# KiCad board CDJ-MainBoard.kicad_pcb (continued)
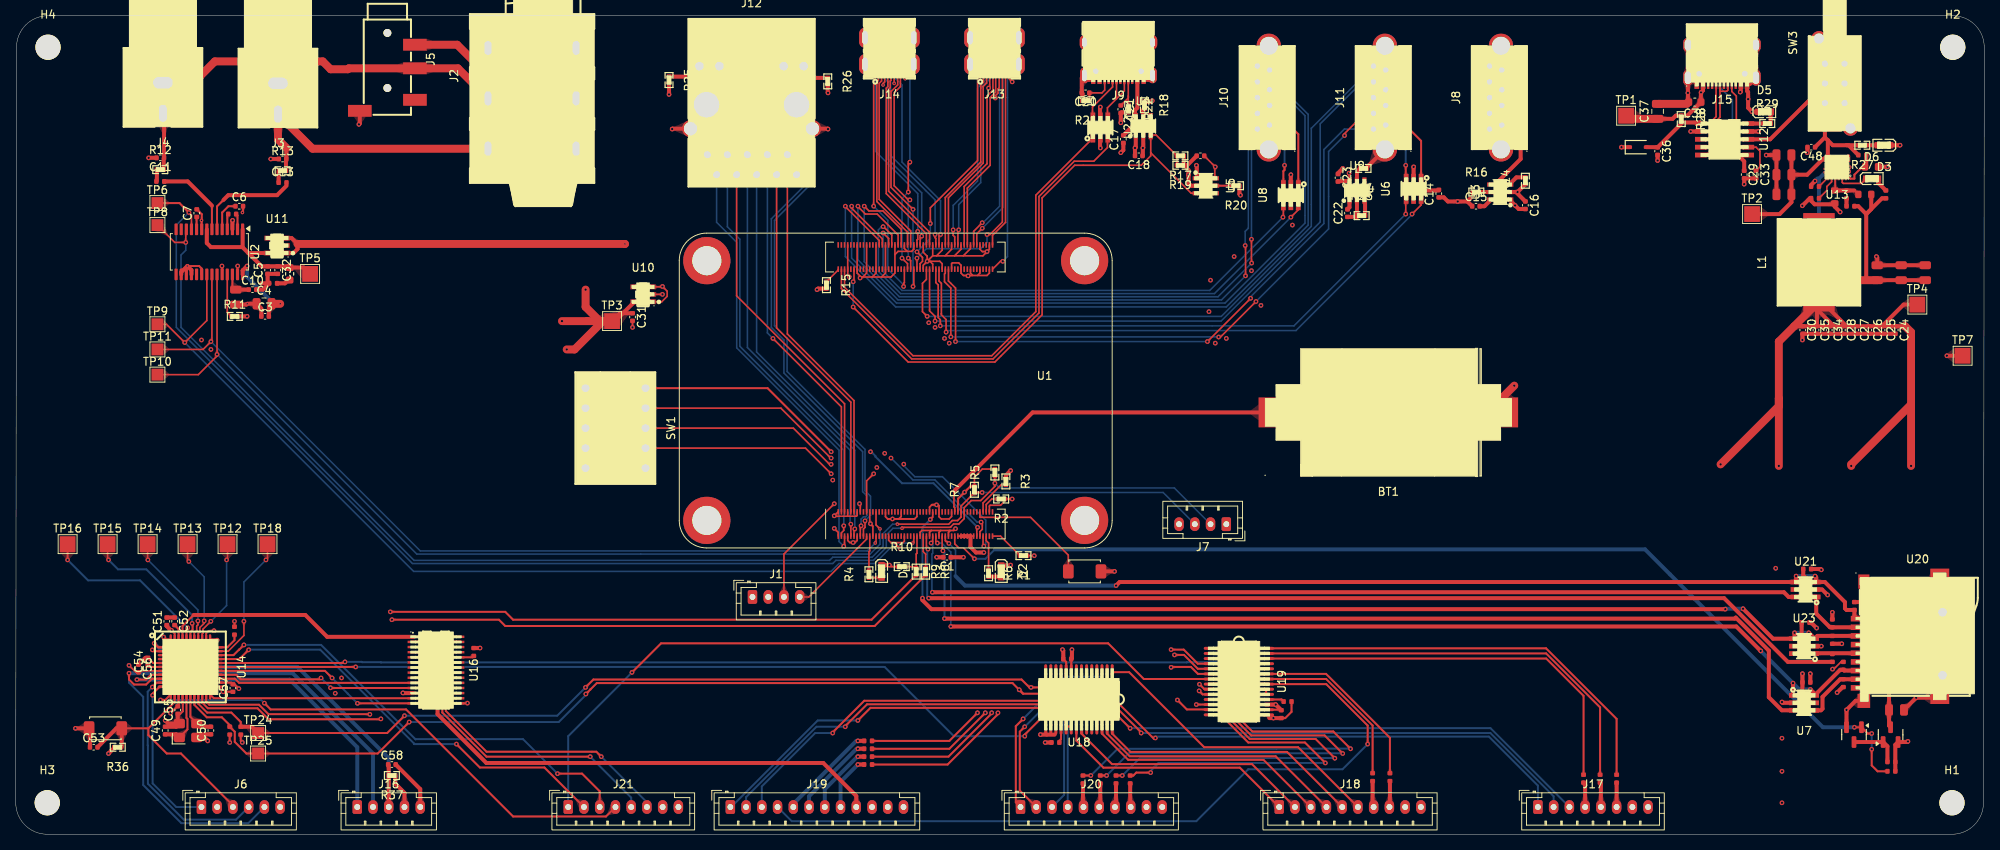
[diagram p0: board, top side]
## Nets (continued)
/USB DJ Ports/USB_SCR_SSRXP: J11.6 U1.159
/USB DJ Ports/USB_SCR_SSTXM: J11.8 U1.169
/USB DJ Ports/USB_SCR_SSTXP: J11.9 U1.171
/USB DJ Ports/USB_SCR_VBUS: C23.2 J11.1 U9.6
I2C_SCL: J7.3 R7.1 TP8.1 U1.80 U2.12
I2C_SDA: J7.2 R5.1 TP6.1 U1.82 U2.11
I2S_BCK: TP9.1 U1.49 U2.21
I2S_DIN: TP11.1 U1.25 U2.22
I2S_LRCLK: TP10.1 U1.26 U2.23
ISP_MISO: J6.1 U14.11
ISP_MOSI: J6.4 U14.10
ISP_RESET: C53.2 J6.3 R36.1 SW4.2 U14.13
ISP_SCK: J6.5 J16.2 U14.9
UART_ATMEGA_RX: R8.2 U14.20
UART_ATMEGA_TX: R9.2 U14.21
Net-(C2-Pad2): C2.2 FB1.1
Net-(C9-Pad1): C9.1 R12.1
Net-(C12-Pad1): C12.1 R13.1
Net-(C47-Pad1): C47.1 R32.2
Net-(C51-Pad2): C51.2 C52.1
Net-(D1-A): D1.2 R4.1
Net-(D2-A): D2.2 R6.2
Net-(D3-A): D3.2 R27.1
Net-(D5-A): D5.2 R29.2
Net-(D6-A): D6.2 R33.2
Net-(D6-K): D6.1 U13.11
Net-(J1-Pin_3): J1.3 U1.16
Net-(J1-Pin_4): J1.4 U1.19
Net-(J9-CC1): C21.1 J9.4 R22.1
Net-(J9-CC2): C20.1 J9.10 R21.1
Net-(J9-DN1): J9.5 J9.7 U22.4
Net-(J9-DP1): J9.6 J9.8 U22.6
Net-(J10-D+): J10.3 U8.3
Net-(J10-D-): J10.2 U8.1
Net-(J11-D+): J11.3 U6.3
Net-(J11-D-): J11.2 U6.1
Net-(J12-Pad11): J12.11 R26.1
Net-(J12-Pad14): J12.14 R25.1
Net-(J13-CEC): J13.15 U1.151
Net-(J13-CK+): J13.12 U1.188
Net-(J13-CK-): J13.14 U1.190
Net-(J13-D0+): J13.9 U1.182
Net-(J13-D0-): J13.11 U1.184
Net-(J13-D1+): J13.6 U1.176
Net-(J13-D1-): J13.8 U1.178
Net-(J13-D2+): J13.3 U1.170
Net-(J13-D2-): J13.5 U1.172
Net-(J13-HPD/HEAC-): J13.1 U1.153
Net-(J13-SCL): J13.17 U1.200
Net-(J13-SDA): J13.18 U1.199
Net-(J14-CEC): J14.15 U1.149
Net-(J14-CK+): J14.12 U1.164
Net-(J14-CK-): J14.14 U1.166
Net-(J14-D0+): J14.9 U1.158
Net-(J14-D0-): J14.11 U1.160
Net-(J14-D1+): J14.6 U1.152
Net-(J14-D1-): J14.8 U1.154
Net-(J14-D2+): J14.3 U1.146
Net-(J14-D2-): J14.5 U1.148
Net-(J14-HPD/HEAC-): J14.1 U1.143
Net-(J14-SCL): J14.17 U1.147
Net-(J14-SDA): J14.18 U1.145
Net-(J15-CC1): C33.1 J15.A5 U12.7
Net-(J15-CC2): C29.1 J15.B5 U12.6
Net-(J15-DN1): J15.A7 J15.B7 U12.5
Net-(J15-DP1): J15.A6 J15.B6 U12.4
Net-(Q1-D): Q1.3 Q2.1 R73.2
Net-(U1B-GPIO14): R8.1 U1.55
Net-(U1B-GPIO15): R9.1 R10.2 U1.51
Net-(U1D-USB_OTG_ID): R15.1 U1.101
Net-(U1I-SD_CLK): R69.1 U1.57
Net-(U1J-CC1): R3.2 U1.94
Net-(U1J-CC2): R2.2 U1.96
Net-(U1J-PMIC_ENABLE): R1.2 U1.99
Net-(U1J-PWR_Button): SW2.1 U1.92
Net-(U1J-VBAT): BT1.1 U1.76
Net-(U1J-~{PI_LED_nPWR}): R6.1 U1.95
Net-(U1J-~{Pi_nLED_Activity}): R4.2 U1.21
Net-(U2-CAPM): C8.1 U2.4
Net-(U2-CAPP): C8.2 U2.2
Net-(U2-LDOO): C10.1 C60.1 U2.26
Net-(U2-OUTL): C12.2 U2.6
Net-(U2-OUTR): C9.2 U2.7
Net-(U2-VCOM/DEMP): C7.1 U2.10
Net-(U2-VNEG): C6.1 U2.5
Net-(U2-XSMT): R11.1 U2.25
Net-(U3-EN): R14.2 U3.3
Net-(U3-ILIM): R16.2 U3.5
Net-(U4-ILIM): R18.2 U4.5
Net-(U5-ILIM): R20.2 U5.5
Net-(U9-EN): R23.2 U9.3
Net-(U9-ILIM): R24.2 U9.5
Net-(U12-PG): R29.1 U12.10
Net-(U12-VBUS): SW3.2 U12.8
Net-(U12-VDD): C36.1 D4.2 R28.2 U12.1
Net-(U13-BS): C44.2 U13.7
Net-(U13-EN): R30.2 R31.1 U13.12
Net-(U13-FB): R32.1 R34.1 R35.1 U13.9
Net-(U13-LX): C44.1 L1.2 U13.2
Net-(U13-VCC): C45.2 U13.8
Net-(U14-AREF): C52.2 U14.42
Net-(U14-PC7): TP18.1 U14.32
Net-(U14-PF1): TP16.1 U14.40
Net-(U14-PF4): TP15.1 U14.39
Net-(U14-PF5): TP14.1 U14.38
Net-(U14-PF6): TP13.1 U14.37
Net-(U14-PF7): TP12.1 U14.36
Net-(U14-UCAP): C54.1 U14.6
Net-(U14-XTAL1): C50.2 U14.17 X1.3
Net-(U14-XTAL2): C49.1 U14.16 X1.1
Net-(U14-~{HWB}/PE2): R41.1 U14.33
Net-(U18-RESET#): R52.1 U18.18
Net-(U19-GPA1): R62.1 U19.22
Net-(U19-GPA2): R61.1 U19.23
Net-(U19-GPA3): R60.1 U19.24
Net-(U19-GPA4): R59.1 U19.25
Net-(U19-GPA5): R58.1 U19.26
Net-(U19-GPA6): R57.1 U19.27
Net-(U19-GPA7): R56.1 U19.28
Net-(U19-GPB0): R63.2 U19.1
Net-(U19-GPB1): R64.2 U19.2
Net-(U19-GPB2): R65.2 U19.3
Net-(U19-GPB3): R66.2 U19.4
Net-(U19-GPB4): R67.2 U19.5
Net-(U19-GPB5): R68.2 U19.6
Net-(U19-RESET#): R55.1 U19.18

Pads without a net: J2 3 5 7; J3 1; J4 1; J5 4; J8 2 3 6 7 8 9 10 11; J9 3 9; J10 11; J11 11; J12 1; J13 2 20; J14 2 20; J15 A8 B8; SW1 5; SW3 3 4 5 6 7 8; U1 18 24 27 28 29 30 31 34 35 36 37 38 39 40 41 44 45 46 47 48 50 54 56 58 64 68 70 72 73 84 86 88 90 97 100 102 104 106 109 110 112 115 116 117 118 121 122 123 124 127 129 133 135 139 141 175 177 181 183 187 189 193 194 195 196; U2 13 14 15 19; U3 4; U4 4; U5 4; U9 4; U10 4; U11 4; U12 3; U13 10; U14 3 4 45; U16 2 3 4 5 6 16 17 18 19 20 21 22 23 25 26 27 28; U18 11 14; U19 8 11 14; U20 9

## Via types
v1: diameter 0.6, hole 0.3, Top to Bottom, 375 vias
v2: diameter 0.45, hole 0.2, Top to Bottom, 31 vias

## Routing (per net, layer and track width the routed paths; a pad name or vN(x,y) marks a point on that pad's centre or on a via; arc(x,y) is an arc through that point)
+3.3V: length 333.6
  Top w0.2: 119.73,42 119.7,41.97 U1.78 ; v1(230.82,20.98) 230.98,20.98 231.9,21.9 R76.1 ; R5.2 122.8,46.4 121.8,45.4 R7.2
  Top w0.25: 119.73,42 119.73,42.65 120.34,43.26 ; R7.2 121.28,44.2 120.34,43.26 ; 120.34,43.26 v1(120.54,43.46)
  Top w0.5: R72.1 v1(230.8,28.2) ; v1(231.4,18) 232.1,18.7 R75.1 ; v1(234.8,29.6) 234.7,29.5 R74.1 ; R11.2 v1(29.4,65.8) ; C66.1 226.9,24.1 v1(227.2,23.8) 227.1,23.9 U23.5 ; U21.5 227.1,31.1 227.4,31.4 227.4,32.6 227.1,32.9 C75.1 ; R70.1 v1(232,24.2) ; U2.28 28.83,71.63 v1(29.4,72.2) ; R26.2 103.17,94.23 v1(103.2,94.2) ; C31.1 76.76,66.2 TP3.1 76.15,65.2 U10.5 ; v1(240.4,11.8) 240.32,11.72 Q2.2 238.8,11.37 R71.1 ; R25.2 v1(83,94) ; v1(227,20.4) C65.1 227,17.45 227.75,16.7 U7.5 ; C1.1 v1(120.4,35.2) ; C3.2 32.16,67.06 C4.2
  Top w1: C4.2 v2(33.6,67.4) ; v1(69.4,65.2) 72.6,65.2 TP3.1 ; TP3.1 74.6,65.2 71,61.6 v1(70,61.6) ; TP3.1 74.2,65.2 72.4,67 v1(72.4,69.2)
  In2.Cu w1: 74.8,65.2 73.2,66.8 73.2,68.4 v1(72.4,69.2) ; 74.8,65.2 76.6,63.4 ; 74.8,65.2 v1(69.4,65.2) ; J7.4 147.8,36.8 139.4,28.4 ; v1(224.4,8) 221.6,8 219,10.6 219,11.2 ; v1(70,61.6) 71.8,63.4 76.6,63.4 ; 205.6,28.4 211,33.8 v1(223.6,33.8) ; 205.6,28.4 219,15 ; 205.6,28.4 139.4,28.4 ; 76.6,63.4 79.8,60.2 108.6,60.2 120.4,48.4 120.4,43.32 ; 219,15 221.8,12.2 v1(224.4,12.2) ; 219,15 219,11.2 ; 139.4,28.4 124.2,28.4 120.4,32.2 v1(120.4,35.2) 120.4,43.32 ; v1(224.4,4) 221.2,4 219,6.2 219,11.2 ; 120.4,43.32 v1(120.54,43.46) ; 219,11.2 219,10.2
  Bottom w0.5: v1(29.4,72.2) 29.4,70.8 32.8,67.4 v2(33.6,67.4)
  vias: v1(227.4,32)
+3.3V_ANALOG: length 21.3
  Top w0.5: 29.55,73.85 28.8,74.6 ; 29.55,73.85 U11.5 ; 29.55,73.85 31.24,72.16 C5.2 34.64,72.16 FB1.2 36.6,72 TP5.1 ; 28.8,74.6 24.8,74.6 24.27,75.13 U2.8 ; 28.8,74.6 28.83,74.63 U2.1
+5V: length 242.9
  Top w0.2: U10.3 82.11,69.55 v1(82.16,69.6) 82.76,69 82.76,68.35 82.06,67.65 U10.1 ; v2(113,96) 112.8,96.2 J14.19 ; U1.77 U1.87 ; R1.1 v1(129.4,35.4) ; J13.19 126.15,96.05 v1(126.6,95.6) ; 25.49,24.76 v1(25.59,24.66) ; v1(14.39,21.46) 15.27,20.58 C56.2 15.77,20.76 U14.7
  Top w0.25: C61.1 58.01,22.48 U16.24 54.61,22.48 v1(54.59,22.46) ; v1(19.66,15.39) 20.54,16.26 C55.2 20.69,16.36 U14.14 ; R54.1 28.59,11.86 v1(28.79,11.66) ; U18.9 134.11,22.24 C62.1 ; U14.24 27.39,19.26 C57.2 27.79,19.06 v1(28.35,18.5) ; v1(150.39,19.06) 151.03,18.42 U19.9 ; v1(18.79,25.06) 19.09,24.76 U14.44 ; U14.2 17.53,23.26 v1(17.36,23.43) ; R53.1 v1(27.19,11.66) ; 159.27,14.76 U19.15 ; R55.2 162.09,15.56 161.29,14.76 C63.1 ; U14.34 25.49,24.76
  Top w0.5: 235.1,78.8 234.1,79.8 C47.2 ; 235.1,78.8 235.1,70.8 235.5,70.4 C41.2 ; 235.1,78.8 235.74,79.44 R34.2 ; 235.1,78.8 237.1,80.8 R33.1 ; U3.1 190.96,79.44 C16.2 ; v1(11.79,10.26) 12.52,10.99 R36.2 ; U1.79 U1.85 121.3,36.5 122,35.8 v1(123,35.8) ; L1.1 229.1,66.45 231,64.55 ; L1.1 v1(229.1,67.8) 229.1,67.7 ; L1.1 228.85,67.8 228.85,64.55 ; L1.1 232.6,64.55 C27.1 ; R37.1 48.22,6.43 49.39,5.26 J16.4 ; 137.75,91.1 137.75,92.35 v1(137.8,92.4) ; U11.1 35.3,73.85 35.8,74.35 35.8,75 35.05,75.75 U11.3 ; 177.6,80.5 v1(177.6,81.8) 180.8,81.8 ; C24.1 239.95,64.55 240,64.6 ; C24.1 239.05,64.55 ; C24.1 231,64.55 ; C18.2 v1(142.2,87.2) 142.3,87.3 142.3,88.25 ; v1(134.19,23.46) 134.19,22.36 C62.1 ; C41.2 C39.2 ; C41.2 236.4,70.3 ; 225.8,64.4 225.95,64.55 C30.1 ; C30.1 227,64.59 ; C30.1 231,64.55 ; v1(150,85) 150.05,84.95 U5.1 ; 236.2,64.55 237.1,64.55 239.85,67.3 TP4.1 ; v1(169.4,81.6) 169.45,81.55 U9.1 169.45,79.65 C22.2 ; C63.1 159.27,14.76 ; R52.2 v1(130.79,11.66) ; 162,79.65 v1(162,81)
  Top w1: 35.8,75 77.4,75 v2(77.4,75) ; C41.2 231.45,70.4 L1.1 ; 224,55.4 224,54.4 v1(216.6,47) ; 224,55.4 224,62.6 229.1,67.7 ; 224,55.4 v1(224,46.8) ; v1(240.8,46.8) 240.8,54.6 ; 240.8,54.6 240.8,63.8 240.05,64.55 239.95,64.55 ; 240.8,54.6 233.2,47 v1(233.2,46.8)
  vias: v1(159.79,14.76) v1(190.5,79.9)
+20V_USB: length 34.1
  Top w0.5: 229.85,88.55 230.23,88.17 ; 229.85,88.55 C48.1 ; 229.85,88.55 SW3.1 ; 230.23,88.17 230.85,87.55 232.6,87.55 ; 230.23,88.17 U13.4 ; U13.4 229.6,85.8 227.6,83.8 C43.1 ; U13.4 230.17,85.86 ; U13.4 U13.5 230.23,84.15 ; 232.6,87.55 232.85,87.55 R30.1 ; 232.6,87.55 R27.2 ; TP2.1 224.1,78.8 225.6,80.3 C46.2 C42.1
+20V_USB_RAIL: length 19.1
  Top w0.5: J15.B4A9 214.37,94.51 v1(214.12,94.26) 214.1,94.24 C38.1 212.38,91.3 R28.1 210.9,91.3 210.5,90.9 C37.1 ; v1(219.1,94.3) 219.17,94.37 J15.A4B9 ; 205,90.9 TP1.1
  Top w1: C37.1 205,90.9
  In1.Cu w0.5: v1(214.12,94.26) 214.16,94.3 v1(219.1,94.3)
GND: length 370.2
  Top w0.2: U1.126 U1.125 109.3,71.3 108.8,70.8 ; U1.7 105.7,37.33 105.97,37.06 v1(106.39,37.06) 106.63,37.06 106.9,37.33 U1.13 ; v2(112.4,99.2) 112.4,98.69 112.2,98.49 J14.16 ; J14.10 111,97.66 111,99.09 110.6,99.49 v2(110.6,99.6) ; 110.79,40.06 110.5,40.35 U1.32 ; U1.174 118.9,74.33 118.07,73.5 ; J13.7 123.75,94.95 v1(123.6,94.8) ; 111.7,73.66 112.1,74.06 113.27,74.06 ; 111.7,73.66 U1.137 111.7,71.3 111.2,70.8 108.8,70.8 ; 111.7,73.66 U1.138 ; U1.120 U1.119 108.1,71.3 107.6,70.8 ; 114.19,40.06 114.5,40.37 U1.52 ; U1.65 117.3,38.37 117.53,38.6 ; R10.1 111.2,34 v1(111,34.2) ; 118.59,38.6 118.73,38.6 118.5,38.37 U1.71 ; 118.59,38.6 117.53,38.6 ; 118.59,38.6 119.18,38.6 v1(119.4,38.82) ; 122.2,71 122.5,71.3 U1.191 ; 116.33,38.6 116.1,38.37 U1.59 ; 116.33,38.6 117.53,38.6 ; 116.33,38.6 115.13,38.6 114.9,38.37 U1.53 ; U1.42 112.5,40.37 112.19,40.06 ; v1(112.39,36.26) 111.59,37.06 111.19,37.06 ; v1(126.6,42.6) R2.1 125.63,42.31 125.12,41.8 123.8,41.8 123.7,41.7 U1.98 ; 232.84,84.3 v2(232.95,84.2) ; U1.22 108.5,39.55 v1(108.59,39.46) 108.9,39.15 U1.23 ; v1(123.41,74.03) 122.88,73.5 120.39,73.5 ; v1(123.41,74.03) 123.7,74.32 U1.198 ; v1(123.41,74.03) 122.8,74.03 122.5,74.33 U1.192 ; 105.7,40.41 104.04,40.41 v1(103.99,40.46) 104.49,40.96 U1.2 ; 105.7,40.41 U1.8 ; 105.7,40.41 106.8,40.41 106.9,40.51 U1.14 ; U1.185 121.3,71.3 121.6,71 ; J13.13 124.95,94.85 124.8,94.7 124.8,94.17 124.45,93.83 v1(124.45,93.55) ; 115.8,73.45 v1(115.8,72.8) ; 115.8,73.45 115.81,73.46 ; 115.8,73.45 115.3,73.95 U1.156 ; v1(115.8,72.8) 116.15,72.8 ; v1(115.8,72.8) 116.5,73.5 ; v1(115.8,72.8) 115.3,72.3 U1.155 ; 107.4,70.8 106.9,71.3 U1.113 U1.114 ; 107.4,70.8 v1(107.28,70.68) ; 107.4,70.8 108.8,70.8 ; 116.39,41.86 116.1,41.57 U1.60 ; J14.4 109.8,98.27 109.47,98.6 v2(109.2,98.6) ; U1.43 112.9,37.23 112.73,37.06 111.19,37.06 ; 116.99,73.5 117.7,74.21 U1.168 ; 116.99,73.5 118.07,73.5 ; 116.99,73.5 116.5,73.5 ; U1.161 116.5,72.45 116.15,72.8 ; 120.39,73.5 119.27,73.5 ; 120.39,73.5 121.3,74.41 U1.186 ; U1.144 112.9,74.43 113.27,74.06 ; 113.27,74.06 113.83,74.06 114.1,74.33 U1.150 ; U1.167 117.7,72.5 117.4,72.8 116.15,72.8 ; 111.19,37.06 110.9,37.35 U1.33 ; U1.197 123.7,71.3 123.4,71 121,71 ; 232.1,85.61 v2(232.15,85.55) ; U1.180 120.1,74.33 119.27,73.5 ; 121,71 v1(121,70.95) ; 121,71 120.4,71 120.1,71.3 U1.179 120.1,72.3 119.8,72.6 119,72.6 118.9,72.5 U1.173 ; 232.46,85.8 v2(232.83,86.18) ; 117.19,41.86 117.3,41.75 U1.66 117.3,40.35 117.59,40.06 118.59,40.06 118.9,40.37 U1.74 ; U14.43 20.19,25.51 ; v1(105.9,70.82) 105.7,71.02 U1.107 U1.108 ; C31.2 v1(78.36,64.4) ; U1.132 U1.131 110.5,71.3 110,70.8 ; v1(126,99) 126,98.6 125.55,98.15 J13.16 ; U1.1 104.5,38.35 v1(103.99,38.86) ; 118.07,73.5 119.27,73.5 ; 232.29,84.3 v2(232.38,84.21) ; v1(123,98.8) 123.15,98.65 J13.4 ; 116.5,73.5 U1.162 ; v2(110.2,95.2) 110.2,95.4 110.4,95.6 J14.7 ; v1(25.19,25.86) 24.54,25.86 24.19,25.51 U14.35 ; 231.9,85.8 v2(231.8,85.91) ; v1(183.2,80.4) 184.44,80.4 ; 232.54,85.8 v2(232.73,85.61) ; J14.13 v2(111.6,95.4) ; 231.33,85.8 v2(231.22,85.91) ; U10.2 v1(82.16,68.6) ; v1(124.4,99) 124.35,98.95 J13.10
  Top w0.25: U19.10 150.79,17.77 v1(150.35,18.22) ; U14.5 17.45,21.76 C54.2 ; v2(28.8,79) 28.88,79.08 C6.2 ; 130.99,12.66 130.86,12.79 U18.15 ; R41.2 v1(27.79,27.06) ; 110.79,40.06 114.19,40.06 ; v2(21.8,72.2) 23.3,72.2 23.62,71.87 U2.20 ; v1(57.39,16.66) 57.37,16.64 U16.15 ; U2.24 26.23,72.18 v1(26.2,72.2) ; U19.16 160.73,15.82 C63.2 ; U2.9 23.62,77.98 v2(23.6,78) 23.64,78.04 23.64,78.78 23.01,79.4 C7.2 ; U18.10 133.46,21.89 C62.2 ; 117.19,41.86 v1(116.99,41.86) 116.39,41.86 ; 131.99,12.66 132.16,12.83 U18.17 ; U2.27 28.18,72.18 v1(28.2,72.2) ; U14.23 v1(26.35,18.1) C57.1 ; C55.1 20.9,15.3 21.23,15.63 21.23,16.6 21.19,16.63 U14.15 ; 20.19,25.51 v1(19.8,25.9)
  Top w0.5: R22.2 140.49,91.73 C21.2 v1(140.4,90.4) ; C24.2 C30.2 227,63.55 v1(227,62.8) ; J11.10 171.67,84.74 R24.1 ; C76.1 v1(241.45,17.35) U20.11 ; U5.2 149.32,82.4 149,82.72 v1(149,83.8) 149,84.4 R19.1 ; v1(24.39,11.86) 23.95,12.3 X1.2 23.39,12.7 C50.1 ; J9.13 143.88,95.87 J9.1 ; v1(229.4,33.6) 229.3,33.7 C75.2 ; C49.2 20.39,13.66 X1.4 ; C22.1 170.41,78.44 R23.1 170.4,78.77 U9.2 v1(170.4,81.6) ; C63.2 v1(160.08,16.47) U19.17 ; R35.2 231.1,80.3 ; R35.2 231.1,79.75 v1(231.79,79.06) ; R35.2 230.98,80.04 228.55,80.04 228.1,80.49 C45.1 227.93,80.8 v1(226.99,79.86) ; R18.1 144.27,93.07 v1(144.4,93.2) ; X1.4 19.39,14.06 v1(18.99,14.46) ; X1.4 20.59,14.26 C55.1 ; C51.1 19.19,26.43 19.76,25.86 ; 212.32,92.8 C38.2 212.45,93.13 J15.1 ; D2.1 126.35,34.15 v1(126.4,34.2) ; v1(168.6,84.6) 168,84 C23.1 ; v1(228.8,26.2) 228.1,26.9 C66.2 ; U20.13 v1(239.8,32.1) 243.6,32.1 U20.12 ; U21.2 229.5,31.1 v1(230.2,30.4) ; U23.2 v1(229.4,23.9) ; U20.10 233.75,16.95 v1(232.6,15.8) Q1.2 ; C18.1 143.2,86.24 v1(143.2,87.2) 143.25,87.25 143.25,88.25 ; U11.2 v2(33.2,74.8) ; v1(155.6,81.2) 155.47,81.33 R20.1 ; v1(83.4,89.6) 83.45,89.65 J12.SHIELD0 ; v1(126.4,46.2) 125.8,45.6 R3.1 ; v1(235.6,21.6) 235.3,21.9 U20.6 ; 162,82.35 v1(162,83.8) ; v1(227.6,86.6) 227.64,86.64 C48.2 ; C43.2 223.6,83.8 ; D4.1 v1(204,87.3) ; C2.1 v2(31.2,70) ; C2.1 31.4,69.2 C10.2 ; C2.1 32,70.2 C5.1 C32.2 ; v1(140.4,86.6) 140.72,86.92 C17.1 ; D5.1 221.39,91.8 v1(220.6,91.8) 220.1,92.3 v1(220.1,93.4) 220.1,94.3 219.97,94.43 J15.A1B12 220.33,95.35 J15.4 J15.3 ; C62.2 133.09,23.36 v1(132.99,23.46) ; J15.1 212.81,96.12 J15.B1A12 ; J15.1 J15.2 ; R19.1 148.84,85 C19.1 ; R19.1 R17.1 ; v1(43.6,90.2) 43.71,90.31 J5.1 ; C16.1 190.6,81.6 U3.2 v1(190.8,81.6) R14.1 ; U2.3 27.52,77.98 v1(27.55,78) ; R16.1 185.13,81.13 184.4,80.4 v1(183.2,80.4) 181.96,80.4 181.44,80.92 C14.1 ; v1(221.4,89.3) U12.9 ; U2.16 21.02,71.43 v2(21.8,72.2) 22.33,71.68 U2.18 ; 137.75,88.4 137.75,87.25 v1(137.8,87.2) ; v1(239.4,87.55) D3.1 ; v1(224.4,16.8) 224.5,16.7 U7.2 ; J12.SHIELD1 103.15,89.65 v1(103.2,89.6) ; C54.2 16.48,22.42 v1(15.95,21.89) 15.94,21.89 C56.1 ; C65.2 v1(228,20.4) ; C53.1 9.43,13.34 9.31,13.46 v1(7.59,13.46) ; R21.2 135.53,94.11 C20.2 135.44,96.09 J9.14 136.32,95.87 J9.12 ; v1(236.4,73.4) 236.5,73.3 C41.1 C39.1 ; v1(101.8,69.2) 101.93,69.33 R15.2 ; C1.2 v1(117,35.2) ; v1(130.19,12.66) 131.99,12.66 ; v1(49.19,17.96) 49.21,17.94 U16.12 ; v1(212.8,89.3) U12.2 ; C11.2 v1(16.89,85.94) ; C36.2 v1(208.6,85.6) ; v1(222.4,86.3) C42.2 C46.1 223.6,81.3 ; J2.2 58.09,99.91 v1(58,100) ; 221.1,83.3 C33.2 C29.2 v1(219.6,82.6) ; J16.5 51.39,5.74 C58.2 ; C13.2 v1(32.4,85.8) ; 177.6,83.2 v1(177.6,84.8) ; C60.2 29.3,67.3 v2(29.4,67.4) C4.1 31.2,66.8 C3.1 ; C61.2 v1(58.99,23.66) ; SW2.2 v1(139.6,33.4) ; TP7.1 v1(245.35,60.8) ; 184.44,80.4 C15.1 ; D1.1 v1(111,34.2) ; v1(237.8,84.8) R31.2
  Top w1: 212.32,92.8 C37.2 ; v1(190.39,57) 188.78,55.39 BT1.2
  vias: v1(20.99,22.66) v1(20.99,21.26) v1(21.39,22.06) v1(21.79,22.66) v1(21.79,21.26) v1(22.19,22.06) v1(22.59,22.66) v1(22.59,21.26) v1(22.99,22.06) v1(111.39,40.06) v1(212.45,94.2) v1(217.1,88.3) v2(231.23,84.17) v2(231.8,84.17) v2(232.32,86.02) v2(232.45,84.68) v2(233.02,84.77)
(no net): length 0.1
  Top w0.25: 40.59,17.86 v1(40.59,17.91)
  vias: v1(23.6,62.8) v1(24.8,61.6) v1(41.39,19.86) v1(103.8,45) v1(109.4,46.6) v1(110.4,48.4) v1(116,65) v1(116.8,64.4) v1(118,63) v1(118.6,62.4) v1(151.6,66.4) v1(151.8,70.4) v1(152.4,62.4) v1(153.8,63) v1(154.8,73.4) v1(157,71.6) v1(158.2,67.2) v1(162.2,77.4)
/Arduino MIDI/BTN_BACK: length 97.5
  Top w0.25: U19.7 143.33,19.72 138.79,24.26 81.99,24.26 v1(78.29,20.56)
  Bottom w0.25: v1(78.29,20.56) 70.19,12.46 J21.1
/Arduino MIDI/BTN_CUE: length 31.9
  Top w0.25: U18.22 135.41,12.79 139.28,8.91 157.07,8.91 J18.2
/Arduino MIDI/BTN_DIRECTION: length 26.3
  Top w0.25: v1(127.99,14.66) 127.06,13.73 127.06,4.06 J20.1 ; U18.2 138.59,20.53 v1(138.59,19.26)
  Bottom w0.25: v1(127.99,14.66) 133.36,20.03 137.82,20.03 v1(138.59,19.26)
/Arduino MIDI/BTN_HOTCUE_1: length 65.4
  Top w0.25: U18.3 137.96,20.55 137.96,18.77 144.59,12.15 144.7,12.15 v1(144.79,12.23)
  Bottom w0.25: J17.1 193.39,6.18 187.17,12.41 144.94,12.41 144.79,12.26 v1(144.79,12.23)
/Arduino MIDI/BTN_HOTCUE_2: length 67.2
  Top w0.25: U18.4 137.36,18.58 142.99,12.95 v1(142.99,12.86)
  Bottom w0.25: v1(142.99,12.86) 187.35,12.86 195.39,4.82 J17.2
/Arduino MIDI/BTN_HOTCUE_3: length 69.1
  Top w0.25: U18.5 136.71,18.34 v1(141.59,13.46)
  Bottom w0.25: J17.3 187.36,13.49 141.62,13.49 v1(141.59,13.46)
/Arduino MIDI/BTN_JOG_MODE: length 97.2
  Top w0.25: v1(171.76,11.46) 171.76,13.81 166.5,19.07 U19.21
  Bottom w0.25: v1(171.76,11.46) 168.56,8.26 156.59,8.26 149.99,1.66 98.59,1.66 J19.4
/Arduino MIDI/BTN_LOOP_IN: length 23.4
  Top w0.25: v1(135.99,19.06) 135.99,20.53 U18.6 ; v1(128.19,13.66) 127.56,13.03 127.56,5.55 J20.2
  Bottom w0.25: v1(135.99,19.06) 135.47,19.58 134.11,19.58 v1(128.19,13.66)
/Arduino MIDI/BTN_LOOP_OUT: length 19.1
  Top w0.25: U18.7 135.41,19.47 v1(134.89,18.96)
  Bottom w0.25: v1(134.89,18.96) 134.2,18.96 133.19,17.95 133.19,4.99 J20.3
/Arduino MIDI/BTN_MTEMPO: length 52.1
  Top w0.25: U18.24 136.71,15.14 135.34,16.51 108.16,16.51 105.39,13.75 v1(105.39,13.66)
  Bottom w0.25: v1(105.39,13.66) 101.73,13.66 92.79,4.72 J19.2
/Arduino MIDI/BTN_PLAY: length 31.1
  Top w0.25: J18.1 155.52,8.46 138.19,8.46 134.76,11.89 U18.21
/Arduino MIDI/BTN_RELOOP: length 17.7
  Top w0.25: U18.8 134.76,19.7 134.12,19.06 134.12,18.13 v1(134.19,18.06)
  Bottom w0.25: J20.4 133.66,17.53 v1(134.19,18.06)
/Arduino MIDI/BTN_SEARCH_L: length 31.3
  Top w0.25: U18.26 138.01,12.79 141.33,9.46 158.52,9.46 J18.3
/Arduino MIDI/BTN_SEARCH_R: length 32.6
  Top w0.25: J18.4 160.07,9.91 141.53,9.91 138.66,12.79 U18.27
/Arduino MIDI/BTN_TEMPO_RANGE: length 52
  Top w0.25: v1(103.79,12.86) 103.79,12.95 107.81,16.96 135.53,16.96 137.36,15.13 U18.25
  Bottom w0.25: v1(103.79,12.86) 101.57,12.86 94.79,6.08 J19.3
/Arduino MIDI/BTN_TEMPO_RST: length 52.2
  Top w0.25: U18.23 136.06,14.99 134.99,16.06 108.59,16.06 v1(106.99,14.46)
  Bottom w0.25: v1(106.99,14.46) 101.89,14.46 90.89,3.46 J19.1
/Arduino MIDI/BTN_TRACK_L: length 34
  Top w0.25: U18.28 139.31,12.78 141.62,10.46 161.52,10.46 J18.5
/Arduino MIDI/BTN_TRACK_R: length 38.3
  Top w0.25: J18.6 162.92,11.06 150.99,11.06 141.46,20.59 U18.1
/Arduino MIDI/FADER_ADIN: length 65.6
  Top w0.25: U16.9 51.96,19.89 51.99,19.86
  Top w0.5: J19.9 106.79,4.86 102.59,9.06 59.79,9.06 53.59,15.26 53.59,18.26 51.99,19.86
/Arduino MIDI/I2C_SCL_ATMEGA: length 146.2
  Top w0.25: v1(149.99,16.48) 151.93,16.48 U19.12 ; 127.99,17.86 v1(127.49,18.36) ; 127.99,17.86 130.32,17.86 132.16,19.7 U18.12 ; 127.99,17.86 126.64,19.21 73.82,19.21 73.02,18.4 73.02,18.4 72.65,18.03 72.65,18.03 v1(72.43,17.82) ; v1(49.99,14.26) 45.99,10.26 TP25.1 29.3,10.26 27.83,11.74 27.83,13.02 R53.2 27.19,13.86 26.19,14.86 24.28,14.86 22.69,16.45 U14.18
  In2.Cu w0.25: v1(127.49,18.36) 129.42,16.43 149.94,16.43 v1(149.99,16.48)
  Bottom w0.25: v1(49.99,14.26) 68.99,14.26 72.43,17.7 v1(72.43,17.82)
/Arduino MIDI/I2C_SDA_ATMEGA: length 140.3
  Top w0.25: U14.19 23.19,16.58 24.31,15.46 27.39,15.46 28.59,14.26 R54.2 ; v1(72.39,18.66) 73.39,19.66 127.79,19.66 128.79,18.66 ; 128.79,18.66 130.47,18.66 131.51,19.7 U18.13 ; 128.79,18.66 v1(128.99,18.66) ; TP24.1 47.19,12.86 v1(49.39,15.06) ; v1(147.59,17.06) 148.79,15.86 151.91,15.86 U19.13
  Top w0.5: R54.2 29.99,13.66 TP24.1
  In2.Cu w0.25: v1(128.99,18.66) 130.59,17.06 v1(147.59,17.06)
  Bottom w0.25: v1(49.39,15.06) 68.79,15.06 v1(72.39,18.66)
/Arduino MIDI/JOG1: length 42.7
  Top w0.25: U14.8 17.16,20.26 16.55,19.65 v1(15.39,19.65)
  Bottom w0.5: J16.1 43.39,11.06 34.8,19.65 v1(15.39,19.65)
/Arduino MIDI/JOG_TOUCH: length 48.8
  Top w0.25: U14.1 18.09,23.76 v1(17.59,24.26)
  Top w0.5: J16.3 47.39,8.78 C58.1
  Bottom w0.5: v1(17.59,24.26) 18.44,23.41 23.04,23.41 25.19,21.26 35.79,21.26 47.39,9.66 J16.3
/Arduino MIDI/LED_CUE: length 3.3
  Top w0.5: J18.8 174.59,3.53 R61.2
/Arduino MIDI/LED_DIRECTION: length 3
  Top w0.5: R59.2 135.59,3.53 J20.5
/Arduino MIDI/LED_HOTCUE1: length 3.2
  Top w0.5: R58.2 199.39,6.36 J17.4
/Arduino MIDI/LED_HOTCUE2: length 3.1
  Top w0.5: R57.2 201.39,6.46 J17.5
/Arduino MIDI/LED_HOTCUE3: length 3.1
  Top w0.5: J17.6 R56.2
/Arduino MIDI/LED_JOG_MODE_1: length 12.7
  Top w0.5: R66.1 v1(106.99,11.86)
  Bottom w0.5: v1(106.99,11.86) 106.79,11.86 98.79,3.86 J19.5
/Arduino MIDI/LED_JOG_MODE_2: length 10.9
  Top w0.5: R67.1 v1(106.99,10.86)
  Bottom w0.5: v1(106.99,10.86) 106.81,10.86 100.79,4.83 J19.6
/Arduino MIDI/LED_LOOP_IN: length 3.1
  Top w0.5: J20.6 137.79,3.59 R63.1
/Arduino MIDI/LED_LOOP_OUT: length 3.1
  Top w0.5: R64.1 139.79,3.59 J20.7
/Arduino MIDI/LED_MTEMPO: length 7.1
  Top w0.5: R60.2 v1(106.99,8.86)
  Bottom w0.5: J19.8 104.79,6.66 v1(106.99,8.86)
/Arduino MIDI/LED_PLAY: length 3.4
  Top w0.5: J18.7 172.39,3.59 R62.2
/Arduino MIDI/LED_RELOOP: length 3
  Top w0.5: R65.1 141.59,3.53 J20.8
/Arduino MIDI/LED_TEMPO_RST: length 9
  Top w0.5: R68.1 v1(106.99,9.86)
  Bottom w0.5: J19.7 102.79,5.72 106.93,9.86 v1(106.99,9.86)
/Arduino MIDI/MCP1_INT: length 114.5
  Top w0.25: v1(43.19,21.26) U14.28 ; v1(128.19,12.46) 128.19,12.66 130.79,15.26 132.77,15.26 133.46,14.58 U18.19 U18.20
  Bottom w0.25: v1(43.19,21.26) 110.39,21.26 119.19,12.46 v1(128.19,12.46)
/Arduino MIDI/MCP2_INT: length 135.5
  Top w0.25: v1(157.39,18.26) 157.55,18.42 U19.20 U19.19 ; v1(41.83,21.9) 41.79,21.86 41.79,21.76 U14.29
  Bottom w0.25: v1(41.83,21.9) 43.97,21.9 44.01,21.86 46.39,21.86 46.42,21.83 148.76,21.83 148.79,21.86 153.79,21.86 v1(157.39,18.26)
/Arduino MIDI/MUX_S0: length 25.1
  Top w0.25: U16.10 28.39,19.24 27.86,19.76 U14.25
/Arduino MIDI/MUX_S1: length 25.8
  Top w0.25: U14.26 28.02,20.26 28.59,19.69 38.62,19.69 v1(38.79,19.86) ; U16.11 40.01,18.59 v1(39.99,18.61)
  Bottom w0.25: v1(39.99,18.61) 39.99,18.66 v1(38.79,19.86)
/Arduino MIDI/MUX_S2: length 26.6
  Top w0.25: U14.27 39.29,20.76 v1(40.19,19.86) ; v1(43.41,16.64) U16.14
  Bottom w0.25: v1(40.19,19.86) 42.19,17.86 v1(43.41,16.64)
/Arduino MIDI/MUX_S3: length 26.1
  Top w0.25: U14.22 25.16,17.29 U16.13
/Arduino MIDI/MUX_SIG: length 32.8
  Top w0.25: U14.41 21.19,26.46 22.59,27.86
  Top w0.5: U16.1 39.57,25.08 36.79,27.86 22.59,27.86
/Arduino MIDI/RELEASE_BRAKE_ADIN: length 39.1
  Top w0.25: v1(74.39,9.86) 73.76,10.49 59.82,10.49 54.65,15.65 54.65,18.65 52.12,21.18 U16.7
  Bottom w0.25: v1(74.39,9.86) 80.19,4.06 J21.6
/Arduino MIDI/TOUCH_BRAKE_ADIN: length 37.1
  Top w0.25: v1(72.99,9.86) 59.8,9.86 54.2,15.47 54.2,18.47 52.13,20.54 U16.8
  Bottom w0.25: v1(72.99,9.86) 78.19,4.66 J21.5
/Arduino MIDI/TRACK_ENC_A: length 55.3
  Top w0.25: J21.2 67.17,8.48 58.97,8.48 v1(55.99,11.46) ; v1(29.59,23.43) 28.41,22.26 U14.30
  Bottom w0.25: v1(29.59,23.43) 29.61,23.46 38.68,23.46 50.59,11.55 50.59,11.46 v1(55.99,11.46)
/Arduino MIDI/TRACK_ENC_B: length 58.8
  Top w0.25: v1(68.83,7.7) 71.95,7.7 74.19,5.46 J21.3 ; U14.31 27.66,22.76 28.36,23.46 28.39,23.46 v1(28.99,24.06)
  Bottom w0.25: v1(28.99,24.06) 38.79,24.06 50.79,12.06 50.82,12.09 64.45,12.09 v1(68.83,7.7)
/Arduino MIDI/TRACK_ENC_PUSH: length 66
  Top w0.25: J21.4 74.99,2.26 63.19,2.26 49.59,15.86 32.39,15.86 v1(31.59,16.66) ; U14.12 18.99,17.06 v1(18.39,17.06)
  Bottom w0.25: v1(18.39,17.06) 31.19,17.06 v1(31.59,16.66)
/Audio Outputs/RCA_LEFT: length 58.4
  Top w0.25: 34.33,85.75 C13.1
  Top w0.5: R13.2 34.33,85.75 ; C13.1 34.38,87.22
  Top w1: J5.2 56.08,100.32 62.2,94.2 62.2,89 60.31,87.11 J2.6 37.71,87.11 J3.2 33.31,88.29 34.38,87.22
/Audio Outputs/RCA_RIGHT: length 53.3
  Top w0.25: 18.85,91.45 J4.2 ; 18.8,85.9 C11.1
  Top w0.5: C11.1 18.85,91.45 ; R12.2 18.8,85.9
  Top w1: J4.2 25.3,98.2 39,98.2 40,97.2 42.2,97.2 42.32,97.32 J5.3 56.19,97.32 J2.4
/Compute Module/S_BOOT_GND: length 52.9
  Top w0.2: SW1.3 98.8,51.6 103.4,47 v1(103.6,47) ; v1(123,36.6) 122.9,36.7 U1.93
  In2.Cu w0.2: v1(103.6,47) 103.62,47.02 v1(112.82,47.02)
  Bottom w0.2: v1(112.82,47.02) 112.82,46.83 114.23,45.43 117.73,45.43 123.24,39.91 123.24,36.84 v1(123,36.6)
/Compute Module/S_BT_GND: length 53
  Top w0.2: v1(103.6,47.8) 103.55,47.8 97.21,54.14 SW1.2 ; U1.91 122.5,38.45 122.8,38.75 122.8,39.51 v1(122.64,39.67)
  In2.Cu w0.2: 108.81,47.8 v1(111.2,47.8) v1(103.6,47.8)